# Altium PCB HV_DAC_8ch-DIOT.PCBDOC (part 3 of 11) (continued)
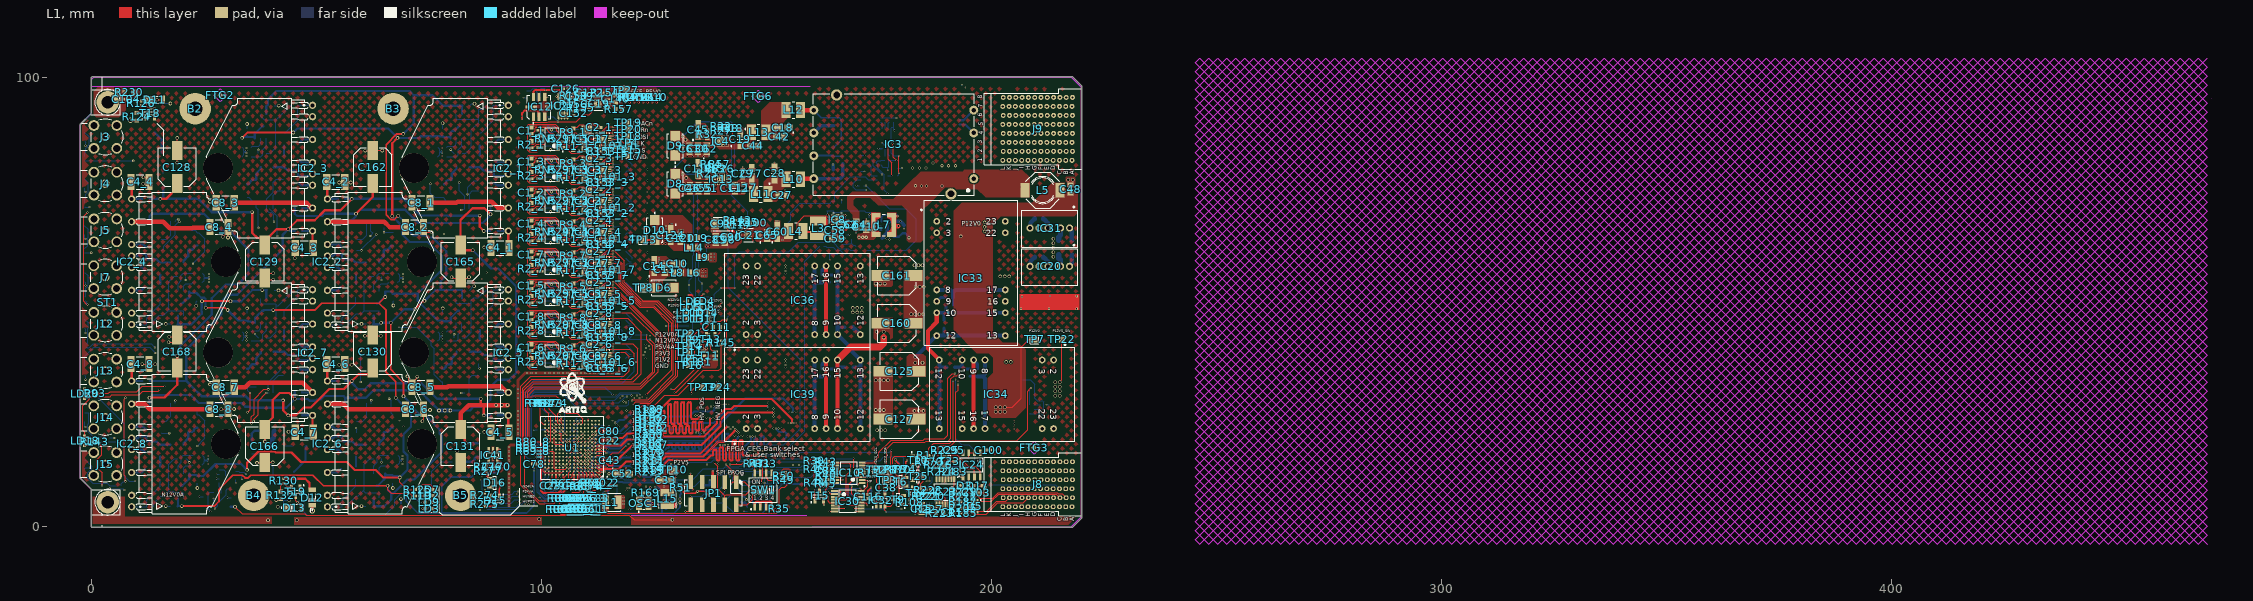
[diagram p0: L1 view]
## Footprints (in the part's own frame and the unit in brackets; to place one, negate y for a bottom-side part, rotate by r counter-clockwise, add the part's x,y. Pads: shape width x height; smd on the part's side, far side on the other; paste and mask are expansions set on the pad) (continued)
SOT95P275X110-6N [mm] "SOT, 0.95mm Pitch; 6 Pin, 1.50mm W X 2.90mm L X 1.10mm H body, IPC Medium Density"
  rect 1.15x0.5 smd: 1(-1.3,0.95) 2(-1.3,0) 3(-1.3,-0.95) 4(1.3,-0.95) 5(1.3,0) 6(1.3,0.95)
  body extent -1.39,-1.55 1.39,1.55, height 1.1
SOT95P280X100-6N [mm] "SOT23, 0.95mm pitch; 6 pin, 1.625mm W X 2.90mm L X 1.00mm H body, IPC Medium Density"
  rect 1.1x0.55 smd: 1(-1.35,0.95) 2(-1.35,0) 3(-1.35,-0.95) 4(1.35,-0.95) 5(1.35,0) 6(1.35,0.95)
  silkscreen extent -1.78,-1.45 0.48,1.87, body extent -1.4,-1.5 1.4,1.5, height 1
SOT95P280X145-5N [mm] "SOT, 0.95mm pitch; 5 pin, 1.60mm W X 2.90mm L X 1.45mm H body, IPC Medium Density"
  rect 1.1x0.6 smd: 1(-1.3,0.95) 2(-1.3,0) 3(-1.3,-0.95) 4(1.3,-0.95) 5(1.3,0.95)
  silkscreen extent -1.73,-1.45 0.43,1.87, body extent -1.4,-1.5 1.4,1.5, height 1.45
SOT190P230X110-4N [mm] "SOT143, SOT, 1.90mm Pitch; 4 Pin, 1.30mm W X 2.90mm L X 1.10mm H body, IPC Medium Density"
  rect 1x1 smd: 1(-1.15,0.75)
  rect 1x0.6 smd: 2(-1.15,-0.95) 3(1.15,-0.95) 4(1.15,0.95)
  silkscreen extent -1.53,-1.45 0.33,1.87, body extent -1.25,-1.5 1.25,1.5, height 1.1
SW_TYCO_1571983-4 [mm] "Pitch 1.27mm,  Body 6.2x6.2mm, 4 Ways SPST Surface-Mount DIP Switch, TYCO GDH Serie"
  rect 1.55x0.55 smd: 1(-3.8,1.905) 2(-3.8,0.635) 3(-3.8,-0.635) 4(-3.8,-1.905) 5(3.8,-1.905) 6(3.8,-0.635) 7(3.8,0.635) 8(3.8,1.905)
  silkscreen extent -4.42,-3.1 2.7,3.1, body extent -4.06,-3.1 4.06,3.1, height 2.36
TO228P991X239-3N-R552X520 [mm] "TO-252AA DPAK TO, 2.28mm pitch; 2 pin,9.905mm L X 6.095mm W X 2.39mm H body, IPC Medium Density"
  rect 2.85x1 smd: 1(-4.15,2.28) 2(-4.15,-2.28)
  rect 6.5x5.55 smd: 3(2.3,0)
  silkscreen extent -5.42,-3.25 -1.3,3.42, body extent -5.22,-3.36 5.2,3.37, height 2.45
TPS127 [mm] "1.27 x  1.27mm SMD Test Point Area"
  rect 1.27x1.27 smd paste-1.27: 1(0,0)
  silkscreen extent -0.94,-0.94 0.94,0.94

## Part data
B2 B3 B4 B5: library part PLATED_HOLE3.2_PAD7.0, "Single Terminal Socket", Author="CERN DEM JMW", Component Type="Standard (No BOM)", ComponentHeight=0mm, CreateDate=28.11.2017, Family="Plated Hole", HelpURL=Undefined, LatestRevisionDate=28.11.2017, Mounted=No, PackageDescription="Plated Through Hole: Hole Dia.=3.2mm Pad Dia.=7.0mm", Part Description="Plated Through Hole: Hole Dia.=3.2mm Pad Dia.=7.0mm", Part Number=PLATED_HOLE3.2_PAD7.0, Pin Count=1, Sense=No, SMD=No, Socket=No, Status=None
C1_1 C1_2 C1_3 C1_4 C1_5 C1_6 C1_7 C1_8: library part CC0603_360PF_25V_1%_C0G, "SMD Multilayer Chip Ceramic Capacitor", Case=0603, Manufacturer=GENERIC, Manufacturer1 ComponentHeight=0.9mm, Manufacturer1 Example=KEMET, Manufacturer1 Part Number=C0603C361F5GACTU, Tolerance=±1%, Voltage=25, Author=GK, Component Type=Standard, CreateDate=15.06.2017, HelpURL=\\cern.ch\dfs\Applications\Altium\Datasheets\CC0603_C0G_AVX.pdf, LatestRevisionDate=15.06.2017, Manufacturer Part Number=CC0603_360PF_25V_1%_C0G, Mounted=Yes, Part Description="SMD Multilayer Chip Ceramic Capacitor", Part Number=CC0603_360PF_25V_1%_C0G, Pin Count=2, Sense=No, SMD=Yes, Socket=No, Status=None, TC=C0G/NP0
C2_1 C2_2 C2_3 C2_4 C2_5 C2_6 C2_7 C2_8: library part CC0402_10PF_50V_5%_C0G, "Non-polarised capacitor", Case=0402, Manufacturer=GENERIC, Manufacturer1 ComponentHeight=0.55mm, Manufacturer1 Example=KEMET, Manufacturer1 Part Number=C0402C100J5GACTU, Tolerance=±5%, Voltage=50V, Author="CERN DEM JLC", Component Type=Standard, CreateDate=03.12.2007, HelpURL="\\cern.ch\dfs\Applications\Altium\Datasheets\CC0805_C0G_KEMET_(Commercial Grade).pdf", LatestRevisionDate=22.04.2015, Manufacturer Part Number=CC0402_10PF_50V_5%_C0G, Mounted=Yes, Part Description="SMD Multilayer Chip Ceramic Capacitor", Part Number=CC0402_10PF_50V_5%_C0G, Pin Count=2, Sense=No, SMD=Yes, Socket=No, Status=Preferred, TC=C0G/NP0
C3_1 C3_2 C3_3 C3_4 C3_5 C3_6 C3_7 C3_8: library part CC0402_47PF_50V_1%_C0G_MURATA_GJM1555C1H470FB01D, "Non-polarised capacitor", Case=0402, Manufacturer=MURATA, Manufacturer Part Number=GJM1555C1H470FB01D, Tolerance=±1%, Voltage=50V, Author="CERN DEM BC", ComponentHeight=0.55mm, Component Type=Standard, CreateDate=20.11.2017, HelpURL=\\cern.ch\dfs\Applications\Altium\Datasheets\CC0402_MURATA_GJM1555C1H470FB01D.pdf, LatestRevisionDate=20.11.2017, Mounted=Yes, Part Description="High-Q SMD Chip Monolithic Ceramic Capacitor", Part Number=CC0402_47PF_50V_1%_C0G_MURATA_GJM1555C1H470FB01D, Pin Count=2, Sense=No, SMD=Yes, Socket=No, Status=None, TC=C0G/NP0
C4_1 C4_2 C4_3 C4_4 C4_5 C4_6 C4_7 C4_8 C8_1 C8_2 C8_3 C8_4 C8_5 C8_6 C8_7 C8_8: library part CC1812_220NF_250V_10%_X7R_FT-CAP, "Non-polarised capacitor", Case=1812, Manufacturer=KEMET, Manufacturer Part Number=C1812X224KARACTU, Tolerance=±10%, Voltage=250V, Author="CERN DEM JLC", Component Type=Standard, ComponentHeight=1.65mm, CreateDate=09.08.2018, HelpURL=\\cern.ch\dfs\Applications\Altium\Datasheets\CC1812_X7R_KEMET_FT-CAP.pdf, LatestRevisionDate=09.08.2018, Mounted=Yes, Part Description="Flexible Termination System (FT-CAP) SMD Multilayer Ceramic  Chip Capacitor", Part Number=CC1812_220NF_250V_10%_X7R_FT-CAP, Pin Count=2, Sense=No, SMD=Yes, Socket=No, Status=None, TC=X7R
C5_1 C5_2 C5_3 C5_4 C5_5 C5_6 C5_7 C5_8 C7_1 C7_2 C7_3 C7_4 C7_5 C7_6 C7_7 C7_8: library part CC0603_1UF_50V_10%_X5R, "Non-polarised capacitor", Case=0603, Manufacturer=GENERIC, Manufacturer1 ComponentHeight=0.9mm, Manufacturer1 Example=TDK, Manufacturer1 Part Number=C1608X5R1H105K080, Tolerance=±10%, Voltage=50V, Author="CERN DEM JMW", Component Type=Standard, CreateDate=09.11.2015, HelpURL=\\cern.ch\dfs\Applications\Altium\Datasheets\CC0603_X5R_TDK_C.pdf, LatestRevisionDate=09.11.2015, Manufacturer Part Number=CC0603_1UF_50V_10%_X5R, Mounted=Yes, Part Description="SMD Multilayer Chip Ceramic Capacitor", Part Number=CC0603_1UF_50V_10%_X5R, Pin Count=2, Sense=No, SMD=Yes, Socket=No, Status=None, TC=X5R
C6_1 C6_2 C6_3 C6_4 C6_5 C6_6 C6_7 C6_8: library part CC1808_100PF_2KV_5%_C0G, "Non-polarised capacitor", Case=1808, Manufacturer=GENERIC, Manufacturer1 ComponentHeight=2.03mm, Manufacturer1 Example=AVX, Manufacturer1 Part Number=1808GA101JAT1A, Tolerance=±5%, Voltage=2kV, Author="CERN DEM JLC", Component Type=Standard, CreateDate=25.11.2014, HelpURL=\\cern.ch\dfs\Applications\Altium\Datasheets\CC1808_C0G_AVX_HV-MLC.pdf, LatestRevisionDate=16.11.2017, Manufacturer Part Number=CC1808_100PF_2KV_5%_C0G, Mounted=Yes, Part Description="High Voltage MLC Chip Capacitor", Part Number=CC1808_100PF_2KV_5%_C0G, Pin Count=2, Sense=No, SMD=Yes, Socket=No, Status=None, TC=C0G/NP0
C9 C10 C13 C87 C119 C120: library part CC0805_10UF_35V_10%_X5R_MURATA_GRM21BR6YA106KE43L, "Non-polarised capacitor", Case=0805, Manufacturer=MURATA, Manufacturer Part Number=GRM21BR6YA106KE43, Tolerance=±10%, Voltage=35V, Author="CERN DEM BC", Component Type=Standard, ComponentHeight=1.45mm, CreateDate=24.03.2020, HelpURL=\\cern.ch\dfs\Applications\Altium\Datasheets\CC0805_MURATA_GRM21BR6YA106KE43L.pdf, LatestRevisionDate=24.03.2020, Mounted=Yes, Part Description="Chip Multilayer Ceramic Capacitor for General Purpose", Part Number=CC0805_10UF_35V_10%_X5R_MURATA_GRM21BR6YA106KE43L, Pin Count=2, Sense=No, SMD=Yes, Socket=No, Status="Not Recommended", TC=X5R
C11 C16 C17 C21 C22 C23 C24 C25 C31 C38 C43 C47 C55 C56 C57 C58 C63 C67 C70 C71 C75 C76 C78 C79 C80 C85 C86 C88 C90 C93 C95 C100 C102 C105 C115 C116 C122 C126 C152 C170: library part CC0402_100NF_16V_10%_X5R, "Non-polarised capacitor", Case=0402, Manufacturer=GENERIC, Manufacturer1 ComponentHeight=0.55mm, Manufacturer1 Example=MURATA, Manufacturer1 Part Number=GRM155R61C104KA88D, Tolerance=±10%, Voltage=16V, Author="CERN DEM JLC", Component Type=Standard, HelpURL=\\cern.ch\dfs\Applications\Altium\Datasheets\CC0402_X5R_MURATA_GRM.pdf, Manufacturer Part Number=CC0402_100NF_16V_10%_X5R, Mounted=Yes, Part Description="SMD Multilayer Chip Ceramic Capacitor", Part Number=CC0402_100NF_16V_10%_X5R, Pin Count=2, SMD=Yes, Socket=No, Status=None, TC=X5R
  C11 C95 C100: CreateDate=12/10/2013, LatestRevisionDate=12/10/2013, Sense=No
  C16 C21 C22 C23 C24 C25 C31 C43 C55 C56 C57 C67 C70 C71 C75 C76 C78 C79 C80 C115: CreateDate=2013-12-10, LatestRevisionDate=2013-12-10, Table="Capacitors SMD"
  C17 C38 C47 C58 C63 C85 C86 C88 C90 C93 C102 C105 C116 C122 C126 C152 C170: CreateDate=10.12.2013, LatestRevisionDate=10.12.2013, Sense=No
C12_1 C12_2 C12_3 C12_4 C12_5 C12_6 C12_7 C12_8 C18 C19 C28 C33 C45 C49 C52 C60 C73 C77 C97_1 C97_2 C97_3 C97_4 C97_5 C97_6 C97_7 C97_8 C98_1 C98_2 C98_3 C98_4 C98_5 C98_6 C98_7 C98_8 C99_1 C99_2 C99_3 C99_4 C99_5 C99_6 C99_7 C99_8 C109 C118 C138_1 C138_2 C138_3 C138_4 C138_5 C138_6 C138_7 C138_8 C141: library part CTE3216-18_10UF_16V_20%_AVX_TCJ, "Polarised capacitor", Case=A, Manufacturer=AVX, Manufacturer Part Number="TCJA106M016R0200 or  or TR3A106K016C1700", Tolerance=±20%, Voltage=16V, Author="CERN DEM JLC", ComponentHeight=1.8mm, Component Type=Standard, CreateDate=29.03.2012, HelpURL=\\cern.ch\dfs\Applications\Altium\Datasheets\CTE_AVX_TCJ.pdf, LatestRevisionDate=29.03.2012, Mounted=Yes, Part Description="ESR 0R200 Tantalum Solid Electrolytic Chip Capacitor with Conductive Polymer Electrode", Part Number=CTE3216-18_10UF_16V_20%_AVX_TCJ, Pin Count=2, Sense=No, SMD=Yes, Socket=No, Status=Preferred
C14 C124: library part CTE3216-18_1UF_35V_10%, "Polarised capacitor", Case=A, Manufacturer=GENERIC, Manufacturer1 ComponentHeight=1.8mm, Manufacturer1 Example=AVX, Manufacturer1 Part Number=TAJA105K035R, Tolerance=±10%, Voltage=35V, Author="CERN DEM JLC", Component Type=Standard, CreateDate=03.12.2007, HelpURL=\\cern.ch\dfs\Applications\Altium\Datasheets\CTE_AVX_TAJ.pdf, LatestRevisionDate=03.12.2007, Manufacturer Part Number=CTE3216-18_1UF_35V_10%, Mounted=Yes, Part Description="Solid Tantalum Chip Capacitor", Part Number=CTE3216-18_1UF_35V_10%, Pin Count=2, Sense=No, SMD=Yes, Socket=No, Status=Preferred
C15 C26 C27 C30 C32 C34 C36 C39 C40 C42 C44 C46 C48 C51 C59 C61 C62 C64 C65 C83 C96 C110 C112 C121 C123 C155: library part CC0805_22UF_16V_10%_X5R, "Non-polarised capacitor", Case=0805, Manufacturer=GENERIC, Manufacturer1 ComponentHeight=1.35mm, Manufacturer1 Example=TDK, Manufacturer1 Part Number=C2012X5R1C226KT, Tolerance=±10%, Voltage=16V, Author="CERN DEM JLC", Component Type=Standard, CreateDate=25.10.2012, HelpURL=\\cern.ch\dfs\Applications\Altium\Datasheets\CC0805_X5R_TDK_C.pdf, LatestRevisionDate=25.10.2012, Manufacturer Part Number=CC0805_22UF_16V_10%_X5R, Mounted=Yes, Part Description="SMD Multilayer Chip Ceramic Capacitor", Part Number=CC0805_22UF_16V_10%_X5R, Pin Count=2, Sense=No, SMD=Yes, Socket=No, Status=Preferred, TC=X5R
C29 C69 C94 C108 C111 C113 C114 C117 C149: library part CC0603_1UF_25V_10%_X7R, "Non-polarised capacitor", Case=0603, Manufacturer=GENERIC, Manufacturer1 ComponentHeight=0.9mm, Manufacturer1 Example=MURATA, Manufacturer1 Part Number=GRM188R71E105KA12D, Tolerance=±10%, Voltage=25V, Author="CERN DEM JLC", Component Type=Standard, CreateDate=18.01.2011, HelpURL=\\cern.ch\dfs\Applications\Altium\Datasheets\CC0603_X7R_MURATA.pdf, LatestRevisionDate=18.01.2011, Manufacturer Part Number=CC0603_1UF_25V_10%_X7R, Mounted=Yes, Part Description="SMD Multilayer Chip Ceramic Capacitor", Part Number=CC0603_1UF_25V_10%_X7R, Pin Count=2, Sense=No, SMD=Yes, Socket=No, Status=None, TC=X7R
C35_1 C35_2 C35_3 C35_4 C35_5 C35_6 C35_7 C35_8 C66_1 C66_2 C66_3 C66_4 C66_5 C66_6 C66_7 C66_8 C68_1 C68_2 C68_3 C68_4 C68_5 C68_6 C68_7 C68_8 C89_1 C89_2 C89_3 C89_4 C89_5 C89_6 C89_7 C89_8: library part CC0603_15PF_50V_5%_NP0, "Non-polarised capacitor", Case=0603, Manufacturer=GENERIC, Manufacturer1 ComponentHeight=0.87mm, Manufacturer1 Example=PHYCOMP, Manufacturer1 Part Number=223886715159, Tolerance=±5%, Voltage=50V, Author="CERN DEM JLC", Component Type=Standard, CreateDate=03/12/2007, HelpURL=\\cern.ch\dfs\Applications\Altium\Datasheets\CC0603_NP0_PHYCOMP.pdf, LatestRevisionDate=03/12/2007, Manufacturer Part Number=CC0603_15PF_50V_5%_NP0, Mounted=Yes, Part Description="SMD Multilayer Chip Ceramic Capacitor", Part Number=CC0603_15PF_50V_5%_NP0, Pin Count=2, Sense=No, SMD=Yes, Socket=No, Status=Preferred, TC=C0G/NP0
C37 C50: library part CC0402_10UF_6.3V_20%_X5R, "Non-polarised capacitor", Case=0402, Manufacturer=GENERIC, Manufacturer1 ComponentHeight=0.70mm, Manufacturer1 Example=TDK, Manufacturer1 Part Number=C1005X5R0J106M050BC, Tolerance=±10%, Voltage=6.3V, Author="CERN DEM JLC", Component Type=Standard, CreateDate=07.01.2015, HelpURL=\\cern.ch\dfs\Applications\Altium\Datasheets\CC0402_X5R_TDK_C.pdf, LatestRevisionDate=07.01.2015, Manufacturer Part Number=CC0402_10UF_6.3V_20%_X5R, Mounted=Yes, Part Description="SMD Multilayer Chip Ceramic Capacitor", Part Number=CC0402_10UF_6.3V_20%_X5R, Pin Count=2, Sense=No, SMD=Yes, Socket=No, Status=Preferred, TC=X5R
C41 C84 C135 C137 C151 C157: library part CC1210_47UF_16V_20%_X5R, "Non-polarised capacitor", Case=1210, Manufacturer=GENERIC, Manufacturer1 ComponentHeight=2.7mm, Manufacturer1 Example="TAIYO YUDEN", Manufacturer1 Part Number=EMK325BJ476MM-T, Tolerance=±20%, Voltage=16V, Author="CERN DEM MR", Component Type=Standard, CreateDate=03.02.2016, HelpURL=\\cern.ch\dfs\Applications\Altium\Datasheets\CC1210_X5R_TAIYO-YUDEN_HIGH-VALUE.pdf, LatestRevisionDate=03.02.2016, Manufacturer Part Number=CC1210_47UF_16V_20%_X5R, Mounted=Yes, Part Description="SMD Multilayer Chip Ceramic Capacitor", Part Number=CC1210_47UF_16V_20%_X5R, Pin Count=2, Sense=No, SMD=Yes, Socket=No, Status=None, TC=X5R
C53 C54 C74: library part CC0402_100PF_50V_5%_C0G, "Non-polarised capacitor", Case=0402, Manufacturer=GENERIC, Manufacturer1 ComponentHeight=0.55mm, Manufacturer1 Example=KEMET, Manufacturer1 Part Number=C0402C101J5GACTU, Tolerance=±5%, Voltage=50V, Author="CERN DEM JLC", Component Type=Standard, CreateDate=03.12.2007, HelpURL="\\cern.ch\dfs\Applications\Altium\Datasheets\CC0402_C0G_KEMET_(Commercial Grade).pdf", LatestRevisionDate=22.04.2015, Manufacturer Part Number=CC0402_100PF_50V_5%_C0G, Mounted=Yes, Part Description="SMD Multilayer Chip Ceramic Capacitor", Part Number=CC0402_100PF_50V_5%_C0G, Pin Count=2, Sense=No, SMD=Yes, Socket=No, Status=Preferred, TC=C0G/NP0
C72 C82 C258: library part CC0805_10UF_16V_10%_X5R, "Non-polarised capacitor", Case=0805, Manufacturer=GENERIC, Manufacturer1 ComponentHeight=1.4mm, Manufacturer1 Example=KEMET, Manufacturer1 Part Number=C0805C106K4PAC, Tolerance=±10%, Voltage=16V, Author="CERN DEM JLC", Component Type=Standard, CreateDate=03.12.2007, HelpURL=\\cern.ch\dfs\Applications\Altium\Datasheets\CC1206_X5R_KEMET.pdf, LatestRevisionDate=03.12.2007, Manufacturer Part Number=CC0805_10UF_16V_10%_X5R, Mounted=Yes, Part Description="SMD Multilayer Chip Ceramic Capacitor", Part Number=CC0805_10UF_16V_10%_X5R, Pin Count=2, Sense=No, SMD=Yes, Socket=No, Status=Preferred, TC=X5R
C81 C257: library part CC0402_1UF_16V_10%_X5R, "Non-polarised capacitor", Case=0402, Manufacturer=GENERIC, Manufacturer1 ComponentHeight=0.55mm, Manufacturer1 Example=TDK, Manufacturer1 Part Number=C1005X5R1C105KT, Tolerance=±10%, Voltage=16V, Author="CERN DEM JLC", Component Type=Standard, CreateDate=25.10.2012, HelpURL=\\cern.ch\dfs\Applications\Altium\Datasheets\CC0402_X5R_TDK_C.pdf, LatestRevisionDate=25.10.2012, Manufacturer Part Number=CC0402_1UF_16V_10%_X5R, Mounted=Yes, Part Description="SMD Multilayer Chip Ceramic Capacitor", Part Number=CC0402_1UF_16V_10%_X5R, Pin Count=2, Sense=No, SMD=Yes, Socket=No, Status=Preferred, TC=X5R
C91: library part CTE3528-21_22UF_10V_10%_LESR0700, "Polarised capacitor", Case=B, Manufacturer=GENERIC, Manufacturer1 ComponentHeight=2.1mm, Manufacturer1 Example=AVX, Manufacturer1 Part Number=TPSB226K010R0700, Tolerance=±10%, Voltage=10V, Author="CERN DEM JLC", Component Type=Standard, CreateDate=05.05.2008, HelpURL=\\cern.ch\dfs\Applications\Altium\Datasheets\CTE-LESR_AVX_TPS.pdf, LatestRevisionDate=20.01.2009, Manufacturer Part Number=CTE3528-21_22UF_10V_10%_LESR0700, Mounted=Yes, Part Description="Low ESR 0R7 Solid Tantalum Chip Capacitor", Part Number=CTE3528-21_22UF_10V_10%_LESR0700, Pin Count=2, Sense=No, SMD=Yes, Socket=No, Status=Preferred
C92_1 C92_2 C92_3 C92_4 C92_5 C92_6 C92_7 C92_8 C101_1 C101_2 C101_3 C101_4 C101_5 C101_6 C101_7 C101_8 C142_1 C142_2 C142_3 C142_4 C142_5 C142_6 C142_7 C142_8 C143_1 C143_2 C143_3 C143_4 C143_5 C143_6 C143_7 C143_8 C154_1 C154_2 C154_3 C154_4 C154_5 C154_6 C154_7 C154_8: library part CC0402_100NF_16V_10%_X7R, "Non-polarised capacitor", Case=0402, Manufacturer=GENERIC, Manufacturer1 ComponentHeight=0.55mm, Manufacturer1 Example=MURATA, Manufacturer1 Part Number=GRM155R71C104KA88D, Tolerance=±10%, Voltage=16V, Author="CERN DEM JLC", Component Type=Standard, CreateDate=2013-12-05, HelpURL=\\cern.ch\dfs\Applications\Altium\Datasheets\CC0402_X7R_MURATA_GRM.pdf, LatestRevisionDate=2007-12-03, Manufacturer Part Number=CC0402_100NF_16V_10%_X7R, Mounted=Yes, Part Description="SMD Multilayer Chip Ceramic Capacitor", Part Number=CC0402_100NF_16V_10%_X7R, Pin Count=2, Sense=No, SMD=Yes, Socket=No, Status="Not Recommended", TC=X7R
C103: library part CC0603_1UF_16V_10%_X7R, "Non-polarised capacitor", Case=0603, Manufacturer=GENERIC, Manufacturer1 ComponentHeight=0.9mm, Manufacturer1 Example="YAGEO PHYCOMP", Manufacturer1 Part Number=223878615663, Tolerance=±10%, Voltage=16V, Author="CERN DEM JLC", Component Type=Standard, CreateDate=03.12.2007, HelpURL=\\cern.ch\dfs\Applications\Altium\Datasheets\CC0603_X7R_PHYCOMP.pdf, LatestRevisionDate=17.04.2015, Manufacturer Part Number=CC0603_1UF_16V_10%_X7R, Mounted=Yes, Part Description="SMD Multilayer Chip Ceramic Capacitor", Part Number=CC0603_1UF_16V_10%_X7R, Pin Count=2, Sense=No, SMD=Yes, Socket=No, Status=None, TC=X7R
C104: library part CC0402_22PF_50V_5%_C0G, "Non-polarised capacitor", Case=0402, Manufacturer=GENERIC, Manufacturer1 ComponentHeight=0.55mm, Manufacturer1 Example=KEMET, Manufacturer1 Part Number=C0402C220J5GACTU, Tolerance=±5%, Voltage=50V, Author="CERN DEM JLC", Component Type=Standard, CreateDate=2007-12-03, HelpURL="\\cern.ch\dfs\Applications\Altium\Datasheets\CC0402_C0G_KEMET_(Commercial Grade).pdf", LatestRevisionDate=2007-12-03, Manufacturer Part Number=CC0402_22PF_50V_5%_C0G, Mounted=Yes, Part Description="SMD Multilayer Chip Ceramic Capacitor", Part Number=CC0402_22PF_50V_5%_C0G, Pin Count=2, Sense=No, SMD=Yes, Socket=No, Status=Preferred, TC=C0G/NP0
C106_1 C106_2 C106_3 C106_4 C106_5 C106_6 C106_7 C106_8: library part CC0603_100PF_50V_1%_NP0, "Non-polarised capacitor", Case=0603, Manufacturer=GENERIC, Manufacturer1 ComponentHeight=0.9mm, Manufacturer1 Example=AVX, Manufacturer1 Part Number=06035A101FAT2A, Tolerance=±1%, Voltage=50V, Author="CERN DEM JLC", Component Type=Standard, CreateDate=15.06.2017, HelpURL=\\cern.ch\dfs\Applications\Altium\Datasheets\CC0603_C0G_AVX.pdf, LatestRevisionDate=15.06.2017, Manufacturer Part Number=CC0603_100PF_50V_1%_NP0, Mounted=Yes, Part Description="SMD Multilayer Chip Ceramic Capacitor", Part Number=CC0603_100PF_50V_1%_NP0, Pin Count=2, Sense=No, SMD=Yes, Socket=No, Status=None, TC=C0G/NP0
C125 C127 C128 C129 C130 C131 C160 C161 C162 C165 C166 C168: library part CAP_ELECTRO_F_4.7u_250V, "Electrolytic capacitor 4.7uF 250V", Case=F, Manufacturer=Nichicon, Manufacturer Part Number=UUX2E4R7MNL1GS, Part Number=CAE800-1000_4.7UF_250V_20%, Tolerance=±20%, Voltage=250V, Author=GK, Component Type=Standard, ComponentHeight=10.2mm, CreateDate=03.12.2007, HelpURL=\\cern.ch\dfs\Applications\Altium\Datasheets\CAE_PANASONIC_FK.pdf, LatestRevisionDate=05.11.2014, Mounted=Yes, Part Description="Aluminum Electrolytic SMT Capacitor", Pin Count=2, Sense=No, SMD=Yes, Socket=No, Status=Recommended
C132 C133 C163 C164: library part CC1812_470NF_250V_10%_X7R_FT-CAP, "Non-polarised capacitor", Case=1812, Manufacturer=KEMET, Manufacturer Part Number=C1812X474KARACTU, Tolerance=±10%, Voltage=250V, Author="CERN DEM JLC", Component Type=Standard, ComponentHeight=1.85mm, CreateDate=15.09.2014, HelpURL=\\cern.ch\dfs\Applications\Altium\Datasheets\CC1812_X7R_KEMET_FT-CAP.pdf, LatestRevisionDate=15.09.2014, Mounted=Yes, Part Description="Flexible Termination System (FT-CAP) SMD Multilayer Ceramic  Chip Capacitor", Part Number=CC1812_470NF_250V_10%_X7R_FT-CAP, Pin Count=2, Sense=No, SMD=Yes, Socket=No, Status=None, TC=X7R
C134 C150 C156: library part CTE6032-28_10UF_25V_10%_LESR0500, "Polarised capacitor", Case=C, Manufacturer=GENERIC, Manufacturer1 ComponentHeight=2.8mm, Manufacturer1 Example=AVX, Manufacturer1 Part Number=TPSC106K025R0500, Tolerance=±10%, Voltage=25V, Author="CERN DEM JLC", Component Type=Standard, CreateDate=05/05/2008, HelpURL=\\cern.ch\dfs\Applications\Altium\Datasheets\CTE-LESR_AVX_TPS.pdf, LatestRevisionDate=20/01/2009, Manufacturer Part Number=CTE6032-28_10UF_25V_10%_LESR0500, Mounted=Yes, Part Description="Low ESR 0R5 Solid Tantalum Chip Capacitor", Part Number=CTE6032-28_10UF_25V_10%_LESR0500, Pin Count=2, Sense=No, SMD=Yes, Socket=No, Status=Preferred
C136 C144 C153 C158: library part CC0805_4.7NF_250V_10%_X7R, "Non-polarised capacitor", Case=0805, Manufacturer=GENERIC, Manufacturer1 ComponentHeight=1.45mm, Manufacturer1 Example="YAGEO PHYCOMP", Manufacturer1 Part Number=CC0805KRX7RYBB472, Tolerance=±10%, Voltage=250V, Author="CERN DEM MR", Component Type=Standard, CreateDate=16.02.2016, HelpURL=\\cern.ch\dfs\Applications\Altium\Datasheets\CC0805_NP0X7R_MID-VOLTAGE_100-to-630V.pdf, LatestRevisionDate=16.02.2016, Manufacturer Part Number=CC0805_4.7NF_250V_10%_X7R, Mounted=Yes, Part Description="SMD Multilayer Chip Ceramic Capacitor", Part Number=CC0805_4.7NF_250V_10%_X7R, Pin Count=2, Sense=No, SMD=Yes, Socket=No, Status=None, TC=X7R
C139 C140 C167: library part CC0603_10UF_10V_10%_X5R, "Non-polarised capacitor", Case=0603, Manufacturer=GENERIC, Manufacturer1 ComponentHeight=0.8mm, Manufacturer1 Example=MURATA, Manufacturer1 Part Number=GRM188R61A106KE69D, Tolerance=±10%, Voltage=10V, Author="CERN DEM JLC", Component Type=Standard, CreateDate=31.01.2017, HelpURL=\\cern.ch\dfs\Applications\Altium\Datasheets\CC0603_MURATA_GRM188R61A106KE69D.pdf, LatestRevisionDate=31.01.2017, Manufacturer Part Number=CC0603_10UF_10V_10%_X5R, Mounted=Yes, Part Description="SMD Multilayer Chip Ceramic Capacitor", Part Number=CC0603_10UF_10V_10%_X5R, Pin Count=2, Sense=No, SMD=Yes, Socket=No, Status=None, TC=X5R
D1: "Ultra Low Capacitance Double Rail-to-Rail ESD Protection Diode", Case=SOT143B, Manufacturer="NXP SEMICONDUCTORS", Voltage=5.5V, Author="CERN DEM JLC", Bonding=No, Component Type=Standard, ComponentHeight=1.1mm, CreateDate=22.03.2011, Device=PRTR5V0U2X, HelpURL=\\cern.ch\dfs\Applications\Altium\Datasheets\PRTR5V0U2X.pdf, LatestRevisionDate=22.03.2011, Manufacturer Part Number=PRTR5V0U2X, Mounted=Yes, PackageDescription="SOT143B, SOT, 1.90mm Pitch; 4 Pin, 1.30mm W X 2.90mm L X 1.10mm H body, IPC Medium Density", Part Description="Ultra Low Capacitance (1pF) Double Rail-to-Rail ESD Protection Diode (8kV)", Part Number=PRTR5V0U2X, Pin Count=4, PressFit=No, Sense=No, SMD=Yes, Socket=No
D3 D17: "Schottky Diode", Case=SOD-523F, Manufacturer=COMCHIP, Power=500mA, Voltage=20V, Author="CERN DEM HF", Bonding=No, Component Type=Standard, ComponentHeight=1mm, CreateDate=13.10.2023, Device=CDBU0520-HF, HelpURL=\\cern.ch\dfs\Applications\Altium\Datasheets\CDBU0520-HF.pdf, LatestRevisionDate=13.10.2023, Manufacturer Part Number=CDBU0520-HF, Mounted=Yes, PackageDescription="Small Outline Diode Flat Lead (SOD-523F), Body; 1.80mm L X 1mm W X 0.85mm H", Part Description="20V Surface mount Schottky Barrier Diode", Part Number=CDBU0520-HF, Pin Count=2, PressFit=No, Sense=No, SMD=Yes, Socket=No
D4 D7: "Schottky Diode", Case=SOD323, Manufacturer=INFINEON, Power=750mA, Voltage=40V, Author="CERN DEM JLC", Bonding=No, Component Type=Standard, ComponentHeight=1.1mm, CreateDate=12.11.2014, Device=BAT165, HelpURL=\\cern.ch\dfs\Applications\Altium\Datasheets\BAT165.pdf, LatestRevisionDate=12.11.2014, Manufacturer Part Number=BAT165, Mounted=Yes, PackageDescription="Small Outline Diode (SOD-323), 1.70mm W X 1.25mm L X 1.10mm H body,  IPC Medium Density", Part Description="Medium Power AF Schottky Diode", Part Number=BAT165, Pin Count=2, PressFit=No, Sense=No, SMD=Yes, Socket=No
D5: "Fivefold ESD Protection Diode Arrays", Case=SOT363, Manufacturer=NEXPERIA, Power=200W, Voltage=3.3V, Author="CERN DEM WB", Bonding=No, Component Type=Standard, ComponentHeight=1.1mm, CreateDate=05.07.2021, Device=PESD3V3L5UY, HelpURL=\\cern.ch\dfs\Applications\Altium\Datasheets\PESD3V3L5UY.pdf, LatestRevisionDate=05.07.2021, Manufacturer Part Number=PESD3V3L5UY, Mounted=Yes, PackageDescription="SOT363, SC-88, 0.65mm Pitch; 6 Pin, 1.25mm W X 2.00mm L X 1.10mm H body, IPC Medium Density", Part Description="Fivefold ESD Protection Diode Arrays (30kV)", Part Number=PESD3V3L5UY, Pin Count=6, PressFit=No, Sense=No, SMD=Yes, Socket=No
D6 D10: "Transient Voltage Suppressor Diode (Uni-Directional)", Case=SMB, Manufacturer=LITTELFUSE, Power=600W, Voltage=33V, Author="CERN DEM JLC", Bonding=No, Component Type=Standard, ComponentHeight=2.61mm, CreateDate=25.02.2019, Device=P6SMB33A, HelpURL=\\cern.ch\dfs\Applications\Altium\Datasheets\P6SMB33A.pdf, LatestRevisionDate=25.02.2019, Manufacturer Part Number=P6SMB33A, Mounted=Yes, PackageDescription="DO-214-AA/SMB Diode, Molded Body; 5.40mm L X 3.62mm W X 2.61mm H, IPC Medium Density", Part Description="Uni-directional Transient Voltage Suppressor (TVS) Diode", Part Number=P6SMB33A, Pin Count=2, PressFit=No, Sense=No, SMD=Yes, Socket=No
D8 D9: "Zener Diode", Case=DO-214AA, Manufacturer="FAIRCHILD SEMICONDUCTOR", Power=600W, Voltage=12V, Author="CERN DEM JLC", Bonding=No, ComponentHeight=2.65mm, Component Type=Standard, CreateDate=10.04.2013, Device=SMBJ12A, HelpURL=\\cern.ch\dfs\Applications\Altium\Datasheets\SMBJ.pdf, LatestRevisionDate=10.04.2013, Manufacturer Part Number=SMBJ12A, Mounted=Yes, PackageDescription="DO-214-AA/SMB Diode, Molded Body; 5.34mm L X 3.625mm W X 2.65mm H, IPC Medium Density", Part Description="Uni-Directional Transient Voltage Suppressor Diode", Part Number=SMBJ12A, Pin Count=2, PressFit=No, Sense=No, SMD=Yes, Socket=No
D11 D12 D13: "Zener Diode", Case=SOD-80C, Manufacturer=NEXPERIA, Power=500mW, Voltage=8V2, Author="CERN DEM JLC", Bonding=No, Component Type=Standard, ComponentHeight=1.6mm, CreateDate=06.05.2008, Device=BZV55-B8V2, HelpURL=\\cern.ch\dfs\Applications\Altium\Datasheets\BZV55.pdf, LatestRevisionDate=22.01.2018, Manufacturer Part Number=BZV55-B8V2, Mounted=Yes, PackageDescription="SOD80C, MELF Diode, 2-Leads, Body 3.5x1.5mm, IPC Medium Density", Part Description="Voltage Regulator Diode", Part Number=BZV55-B8V2, Pin Count=2, PressFit=No, Sense=No, SMD=Yes, Socket=No
D15 D16: "Diode Zener Anode Pin 1 Cathode Pin 3 (Pas de pin 2)", Case=SOT23-3, Manufacturer="FAIRCHILD SEMICONDUCTOR", Power=350mW, Voltage=4V7, Author="CERN DEM JLC", Bonding=No, Component Type=Standard, ComponentHeight=1.3mm, CreateDate=15.06.2011, Device=BZX84C4V7, HelpURL=\\cern.ch\dfs\Applications\Altium\Datasheets\BZX84C4V7.pdf, LatestRevisionDate=15.06.2011, Manufacturer Part Number=BZX84C4V7, Mounted=Yes, PackageDescription="SOT, 0.95mm Pitch; 3 Pin, 1.30mm W X 2.90mm L X 1.30mm H body, IPC Medium Density", Part Description="Zener Diode", Part Number=BZX84C4V7, Pin Count=3, PressFit=No, Sense=No, SMD=Yes, Socket=No
D21_1 D21_2 D21_3 D21_4 D21_5 D21_6 D21_7 D21_8: "Serial Diode", Case=SOT23-3, Manufacturer="NXP SEMICONDUCTORS", Power=250mW, Voltage=75V, Author="CERN DEM JMW", Bonding=No, ComponentHeight=1.1mm, Component Type=Standard, CreateDate=2008-11-21, Device=BAV199, HelpURL=\\cern.ch\dfs\Applications\Altium\Datasheets\BAV199.pdf, LatestRevisionDate=2008-11-21, Manufacturer Part Number=BAV199, Mounted=Yes, PackageDescription="SOT23 3-Leads, Pitch 0.95mm - Body 1.4x3mm, IPC Medium Density", Part Description="Low-Leakage Double Diode", Part Number=BAV199, Pin Count=3, PressFit=No, Sense=No, SMD=Yes, Socket=No
FTG1: library part FIDUCIAL_TARGET_C100-200, "Fiducial Target", Author="CERN DEM JLC", ComponentHeight=0mm, Component Type="Standard (No BOM)", CreateDate=09.02.2010, Family=Fiducial, HelpURL=Undefined, LatestRevisionDate=04.04.2012, Mounted=No, PackageDescription="Round Fiducial Target, Top Layer, 1.0mm, Top Solder 2.0mm, Keepout =2.0mm", Part Description="Round Fiducial Target, Top Layer, 1.0mm, Top Solder 2.0mm, Keepout =2.0mm", Part Number=FIDUCIAL_TARGET_C100-200, Pin Count=1, Sense=No, SMD=Yes, Socket=No, Status=None
FTG2 FTG3 FTG4 FTG5 FTG6: library part FIDUCIAL_TARGET_S100-200, "Fiducial Target", Author="CERN DEM JLC", ComponentHeight=0mm, Component Type="Standard (No BOM)", CreateDate=09.02.2010, Family=Fiducial, HelpURL=Undefined, LatestRevisionDate=04.04.2012, Mounted=No, PackageDescription="Square Fiducial Target, Top Layer, 1.0mm, Top Solder 2.0mm, Keepout =2.0mm", Part Description="Square Fiducial Target, Top Layer, 1.0mm, Top Solder 2.0mm, Keepout =2.0mm", Part Number=FIDUCIAL_TARGET_S100-200, Pin Count=1, Sense=No, SMD=Yes, Socket=No, Status=None
IC1_1 IC1_2 IC1_3 IC1_4 IC1_5 IC1_6 IC1_7 IC1_8: library part OA_OPA455, "High-Voltage (150V), High-Current (50mA) Operational Amplifier, G=1 Stable", Case=SOIC8, Manufacturer="TEXAS INSTRUMENTS", Author=GK, Bonding=No, Component Type=Standard, ComponentHeight=1.70mm, CreateDate=23.05.2011, Device=OPA455IDDA, HelpURL=\\cern.ch\dfs\Applications\Altium\Datasheets\OPA454AIDDA.pdf, LatestRevisionDate=23.05.2011, Manufacturer Part Number=OPA455IDDA, Mounted=Yes, PackageDescription="SOIC, 1.27mm Pitch; 8 Pin, 4.00mm W X 5.00mm L X 1.70mm H body (w/Thermal Tab 2.49 X 3.00mm), IPC Medium Density", Part Description="High-Voltage (150V), High-Current (50mA) Operational Amplifier, G=1 Stable", Part Number=OPA455IDDA, Pin Count=9, PressFit=No, Sense=No, SMD=Yes, Socket=No
IC2_1 IC2_2 IC2_3 IC2_4 IC2_5 IC2_6 IC2_7 IC2_8: library part OA_PA95, "High Voltage Power Operational Amplifier", Manufacturer=APEX, Part Number=PA95_hflip, Author=GK, Bonding=No, Component Type=Standard, ComponentHeight=10mm, ComponentLink1Description="Package Drawing", ComponentLink1URL=\\cern.ch\dfs\Applications\Altium\Datasheets\PA94_v_Package.pdf, CreateDate=04.12.2008, Device=PA95, HelpURL=\\cern.ch\dfs\Applications\Altium\Datasheets\PA94.pdf, LatestRevisionDate=12.01.2010, Manufacturer Part Number=PA95, Mounted=Yes, PackageDescription="Power SIP, DQ Package Style, Pitch 2.54mm, Reverse Right Angle Formed Original Straight Leads For Flipped  Horizontal Mount", Part Description="100mA 900V High Voltage Power Operational Amplifier (DQ Case Style)", Pin Count=8, PressFit=No, Sense=No, SMD=No, Socket=No
IC3: library part DC/DC_CC10-1212DF-E, "CONV DC/DC 10W DUAL 12V +-12V PCB", Manufacturer="TDK-Lambda Americas Inc.", Author=TPH, Bonding=No, ComponentHeight=8.5, Component Type=Standard, CreateDate=14.03.2019, Device=CC10-1212DF-E, LatestRevisionDate=14.03.2019, Manufacturer Part Number=CC10-1212DF-E, Mounted=Yes, PackageDescription="CC10 Series, Body 1.400 x 0.890 x 0.335, Regulated", Part Description="CONV DC/DC 10W DUAL 12V +-12V PCB", Part Number=CC10-1212DF-E, Pin Count=9, PressFit=No, Sense=No, SMD=No, Socket=No
IC4: "-20V, 500mA, Ultralow Noise, Ultrahigh PSRR Negative Linear Regulator", Case=SON12, Manufacturer="LINEAR TECHNOLOGY", Author="CERN DEM JLC", Bonding=No, ComponentHeight=0.8mm, Component Type=Standard, CreateDate=12.11.2018, Device=LT3094EDD#PBF, HelpURL=\\cern.ch\dfs\Applications\Altium\Datasheets\LT3094EDD#PBF.pdf, LatestRevisionDate=12.11.2018, Manufacturer Part Number=LT3094EDD#PBF, Mounted=Yes, PackageDescription="SON, 0.45mm Pitch; 12 Pin, 3.00mm W X 3.00mm L X 0.80mm H Body (w/Thermal tab 1.75 x 2.48mm), IPC Medium Density", Part Description="-20V, 500mA, Ultralow Noise, Ultrahigh PSRR Negative Linear Regulator", Part Number=LT3094EDD#PBF, Pin Count=13, PressFit=No, Sense=No, SMD=Yes, Socket=No
IC5_1 IC5_2 IC5_3 IC5_4 IC5_5 IC5_6 IC5_7 IC5_8: library part OA_OPA2197IDGKR, "36-V, Precision, Rail-to-Rail Input Output, Low Offset Voltage Op Amp 8-VSSOP", Case=MSOP8, Manufacturer="TEXAS INSTRUMENTS", Author=GK, Bonding=No, ComponentHeight=1.1mm, Component Type=Standard, CreateDate=20.04.2017, Device=OPA2197IDGKR, HelpURL=\\cern.ch\dfs\Applications\Altium\Datasheets\OPA2140AIDGK.pdf, LatestRevisionDate=20.04.2017, Manufacturer Part Number=OPA2197IDGKR, Mounted=Yes, PackageDescription="SOP, 0.65mm pitch; 8 pin, 3.00mm W X 3.00mm L X 1.10mm H body, IPC Medium Density", Part Description="High-Precision, Low-Noise, Rail-to-Rail Output,10-MHz Op Amp", Part Number=OPA2197IDGKR, Pin Count=8, PressFit=No, Sense=No, SMD=Yes, Socket=No
IC6: library part MEM_AT25SF081B-SHB, "8M-bit Serial Flash Memory with uniform 4KB sectors and Dual/Quad SPI and QPI", Case=SOIC8, Manufacturer=Renesas, Author=GK, Bonding=No, Component Type=Standard, ComponentHeight=2.16mm, CreateDate=26/01/2018, Device=AT25SF081B-SHB, HelpURL=\\cern.ch\dfs\Applications\Altium\Datasheets\W25Q128FVSIG.pdf, LatestRevisionDate=26/01/2018, Manufacturer Part Number=AT25SF081B-SHB, Mounted=Yes, PackageDescription="SOIC, 1.27mm Pitch; 8 Pin, 5.285mm W X 5.335mm L X 2.16mm H body, IPC Medium Density", Part Description="8M-bit Serial Flash Memory with uniform 4KB sectors and Dual/Quad SPI and QPI", Part Number=AT25SF081B-SHB, Pin Count=8, PressFit=No, Sense=No, SMD=Yes, Socket=No
IC7: "Digital Temperature Sensor and Thermal Watchdog with Two-Wire Interface", Case=SSOP8, Manufacturer="TEXAS INSTRUMENTS", Author="CERN DEM JLC", Bonding=No, ComponentHeight=1.09mm, Component Type=Standard, CreateDate=15.10.2012, Device=LM75AIMM/NOPB, HelpURL=\\cern.ch\dfs\Applications\Altium\Datasheets\LM75AIMM-NOPB.pdf, LatestRevisionDate=15.10.2012, Manufacturer Part Number=LM75AIMM/NOPB, Mounted=Yes, PackageDescription="SOP, 0.65mm pitch; 8 pin,3.00mm W X 3.00mm L X 1.09mm H bodyI, PC Medium Density", Part Description="-25° to +100°C ±2°C Digital Temperature Sensor and Thermal Watchdog with Two-Wire Interface", Part Number=LM75AIMM/NOPB, Pin Count=8, PressFit=No, Sense=No, SMD=Yes, Socket=No
IC8: "4.75-28VDC to 1-6VDC, 500mA Step-Down Converter With Sleep Mode", Case=SON10, Manufacturer="TEXAS INSTRUMENTS", Author="CERN DEM JMW", Bonding=No, Component Type=Standard, ComponentHeight=0.8mm, CreateDate=11.08.2015, Device=TPS62175DQC, HelpURL=\\cern.ch\dfs\Applications\Altium\Datasheets\TPS62175DQC.pdf, LatestRevisionDate=11.08.2015, Manufacturer Part Number=TPS62175DQC, Mounted=Yes, PackageDescription="SON, 10-Leads, Body 2x3mm, Pitch 0.5mm, Thermal Pad 0.94x2.5mm, IPC Medium Density", Part Description="4.75-28VDC to 1-6VDC, 500mA Step-Down Converter With Sleep Mode", Part Number=TPS62175DQC, Pin Count=11, PressFit=No, Sense=No, SMD=Yes, Socket=No
IC10 IC30: "I2C-bus to SPI bridge", Case=TSSOP16, Manufacturer="NXP SEMICONDUCTORS", Bonding=No, ComponentHeight=1.1mm, Component Type=Standard, CreateDate=14/12/2015, HelpURL=\\cern.ch\dfs\Applications\Altium\Datasheets\SC18IS602B.pdf, LatestRevisionDate=14/12/2015, Mounted=Yes, PackageDescription="SOP, 0.65mm pitch; 16 pin, 4.40mm W X 5.00mm L X 1.10mm H body IPC Medium Density", Part Description="I2C-Bus to SPI Bridge", Pin Count=16, PressFit=No, Sense=No, SMD=Yes, Socket=No
  IC10: Author="CERN DEM MR", Device=SC18IS602B, Manufacturer Part Number=SC18IS602B, Part Number=SC18IS602B
  IC30: Author=GK, Device=SC18IS606PWJ, Manufacturer Part Number=SC18IS606PWJ, Part Number=SC18IS606PWJ
IC11: "0.25ppm Noise, Low Drift Precision Buffered Voltage Reference", Case=SSOP8, Manufacturer="LINEAR TECHNOLOGY", Author="CERN DEM JLC", Bonding=No, ComponentHeight=1.1mm, Component Type=Standard, CreateDate=07.06.2012, Device=LTC6655BHMS8-5#PBF, HelpURL=\\cern.ch\dfs\Applications\Altium\Datasheets\LTC6655BHMS8-5#PBF.pdf, LatestRevisionDate=07.06.2012, Manufacturer Part Number=LTC6655BHMS8-5#PBF, Mounted=Yes, PackageDescription="SOP, 8-Leads, Body 3.1x3.1mm (max), Pitch 0.65mm, IPC Medium Density", Part Description="5V, 0.25ppm Noise, Low Drift Precision Buffered Voltage Reference", Part Number=LTC6655BHMS8-5#PBF, Pin Count=8, PressFit=No, Sense=No, SMD=Yes, Socket=No
IC12: library part REF_LTC6655CHLS8-4.096, "5.0V, 1uA Precision Voltage Reference", Case=8-CLCC, Manufacturer="LINEAR TECHNOLOGY", Author=GK, Bonding=No, Component Type=Standard, ComponentHeight=1mm, CreateDate=2011-10-10, Device=LTC6655BHLS8-5#PBF, HelpURL=\\cern.ch\dfs\Applications\Altium\Datasheets\LT6656ACS6-3.3#TRMPBF.pdf, LatestRevisionDate=2011-10-10, Manufacturer Part Number=LTC6655BHLS8-5#PBF, Mounted=Yes, PackageDescription="LCC, 8-Pins, Body 5,00x5,00mmx1,45mm, Pitch 1,27mm, IPC Medium Density", Part Description="5.0V, 0.05%, 10ppm/°C, 1uA Precision Voltage Reference", Part Number=LTC6655BHLS8-5#PBF, Pin Count=8, PressFit=No, Sense=No, SMD=Yes, Socket=No
IC13: "20V, 500mA, Ultralow Noise, Ultrahigh PSRR Linear Regulator", Case=SON10, Manufacturer="LINEAR TECHNOLOGY", Author="CERN DEM JLC", Bonding=No, ComponentHeight=0.8mm, Component Type=Standard, CreateDate=07.12.2016, Device=LT3045EDD#PBF, HelpURL=\\cern.ch\dfs\Applications\Altium\Datasheets\LT3045EDD#PBF.pdf, LatestRevisionDate=07.12.2016, Manufacturer Part Number=LT3045EDD#PBF, Mounted=Yes, PackageDescription="SON, 0.50mm Pitch; 10-pin, 3.00mm W  X 3.00mm L X 0.80mm H Body, (w/thermal tab 1.75 X 2.48 mm), IPC Medium Density", Part Description="20V, 500mA, Ultralow Noise, Ultrahigh PSRR Linear Regulator", Part Number=LT3045EDD#PBF, Pin Count=11, PressFit=No, Sense=No, SMD=Yes, Socket=No
IC14_1 IC14_2 IC14_3 IC14_4 IC14_5 IC14_6 IC14_7 IC14_8: library part OPTOMOS_AQV224NS, "PhotoMOS Relay 400V 40mA", Case=SOP6, Manufacturer=PANASONIC, Author=GK, Bonding=No, Component Type=Standard, ComponentHeight=2.3mm, ComponentLink1Description="Package Drawing", ComponentLink1URL=\\cern.ch\dfs\Applications\Altium\Datasheets\AQV21_Package-Drawing.pdf, CreateDate=03.09.2010, Device=AQV224NS, HelpURL=\\cern.ch\dfs\Applications\Altium\Datasheets\AQV212S.pdf, LatestRevisionDate=04.12.2018, Manufacturer Part Number=AQV224NS, Mounted=Yes, PackageDescription="PANASONIC Serie AQV21(SOP), 2.54mm Pitch; 6 Pin, 4.40mm W X 6.30mm L X 2.30mm H body", Part Description="GU SOP 1 Form A, PhotoMOS Relay, 400V 40mA", Part Number=AQV224NS, Pin Count=6, PressFit=No, Sense=No, SMD=Yes, Socket=No